# EAGLE board Mk4 Final a Panel score (EAGLE 9.0.1), part 19 of 24
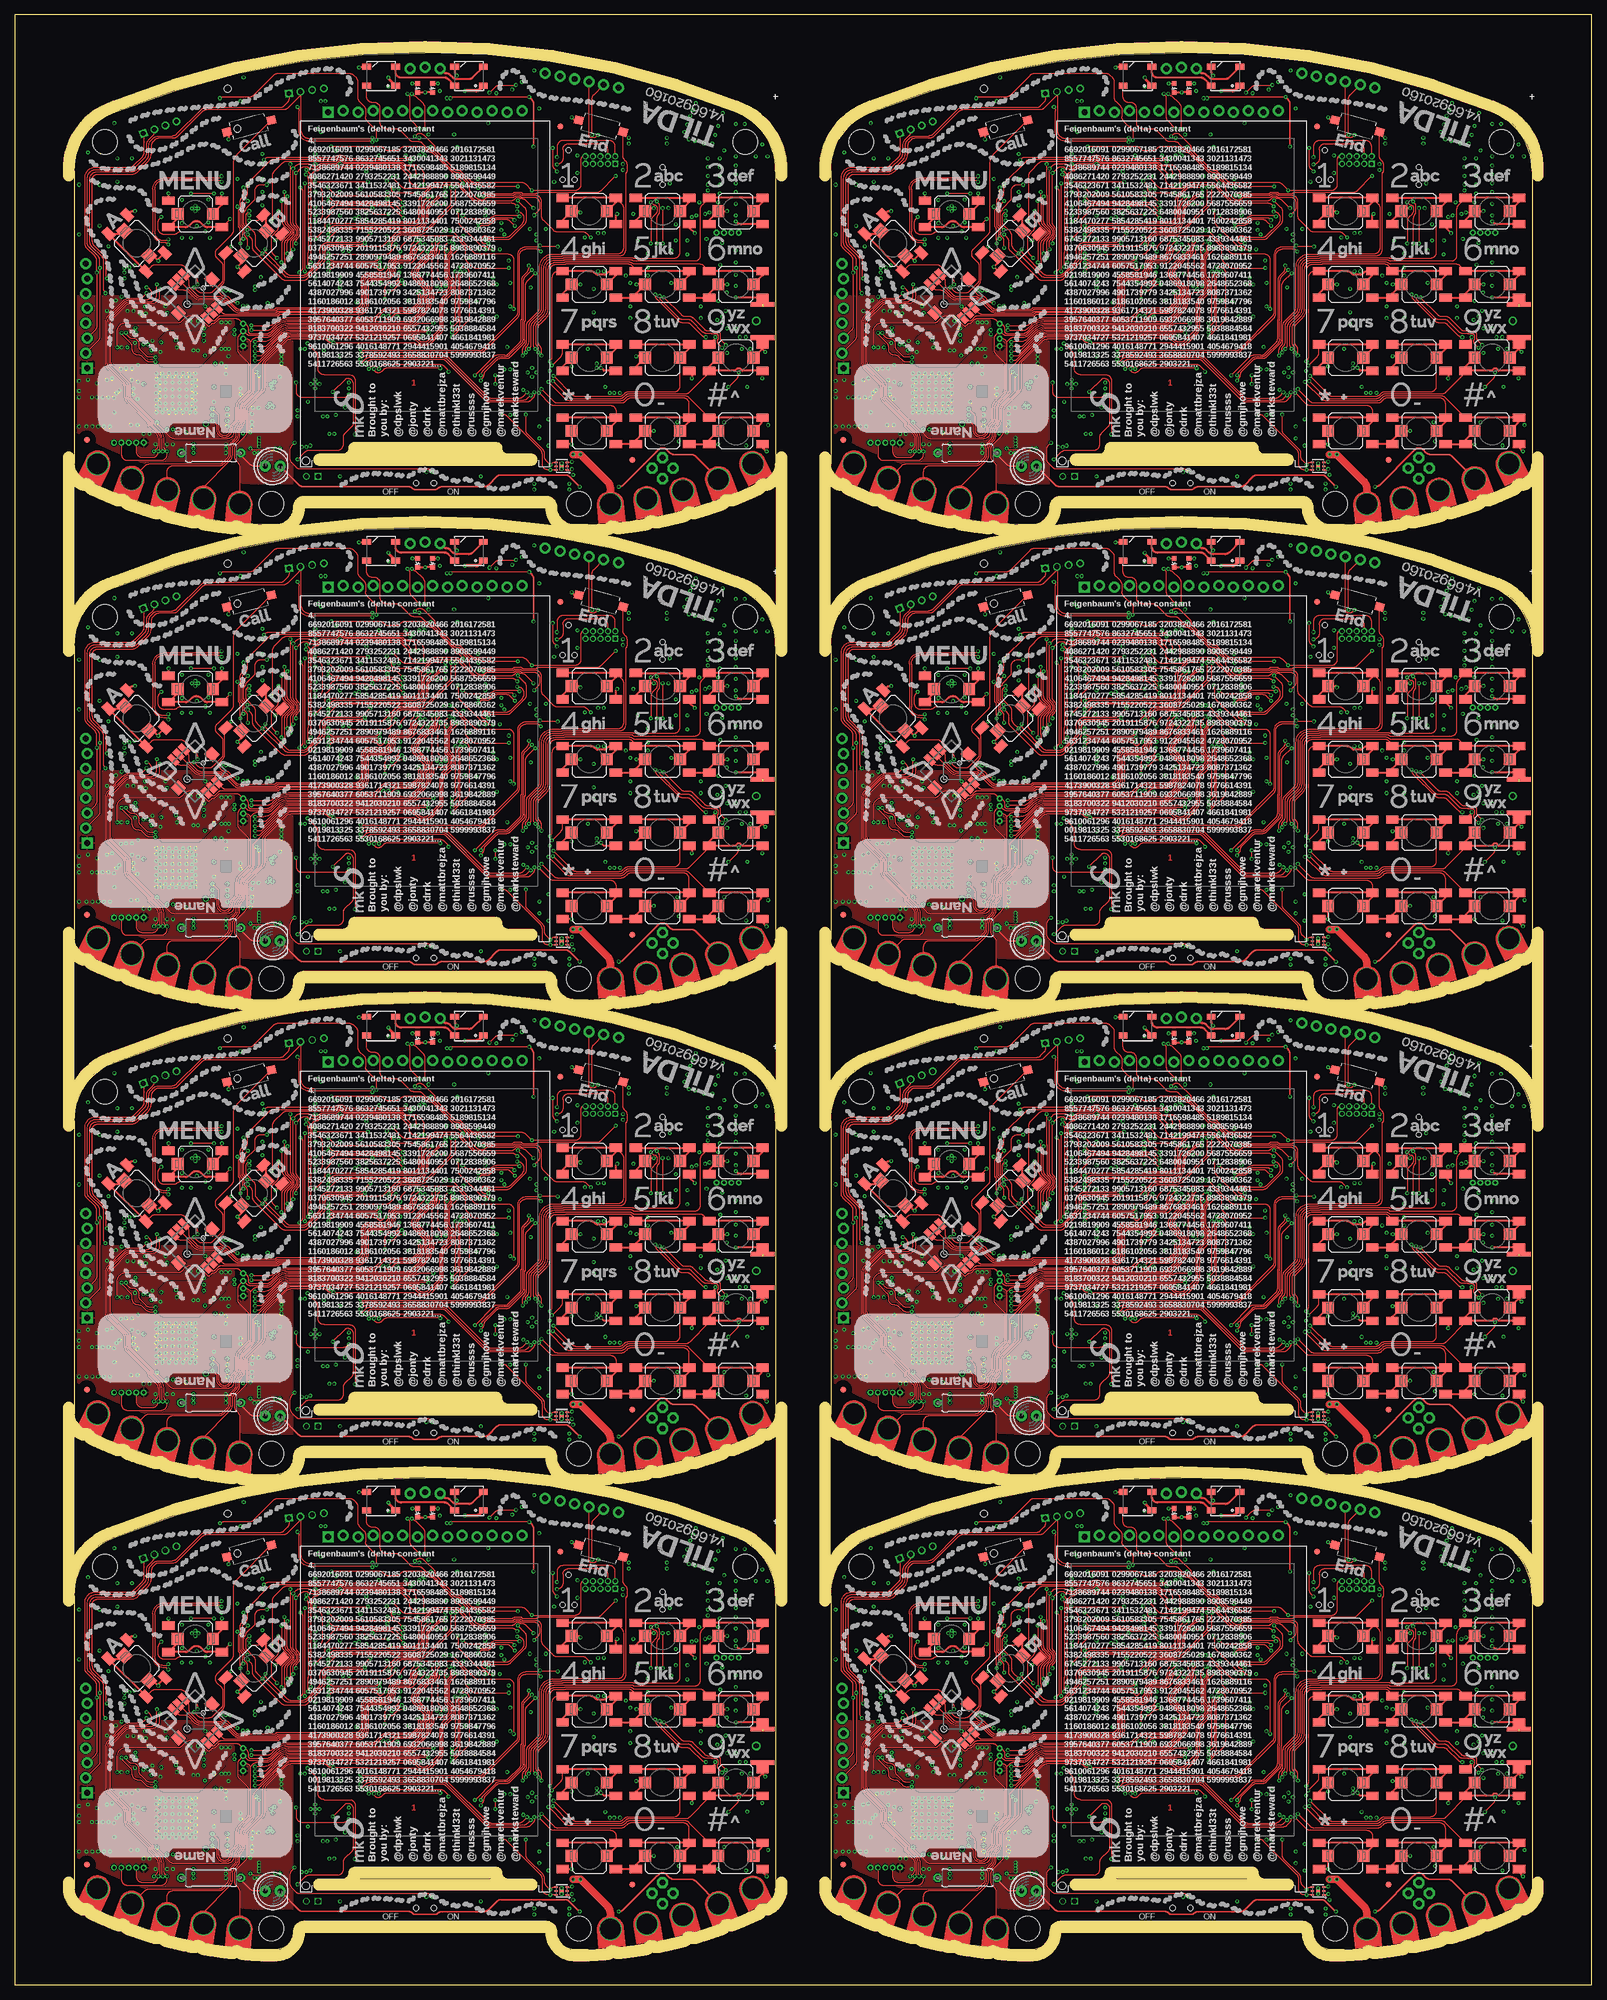
[diagram p0: board, top side]
## Tracks (layer width: path | path; a pad name or v marks a point on that pad's centre or on a via) (continued)
SIM_VDD4 (continued)
  Bottom 0.3: C482.2 arc-45 125.5,182.85 125.5,184.84 arc-45 125.79,185.54 126.4,186.15 arc-45 127.1,186.44 J44.C1 128.11,187.2 arc-45 128.4,187.9 128.46,187.96 arc45 128.75,188.66 128.75,189.25 arc90 127.75,190.25 124,190.25 arc-90 123,191.25 123,192.09 arc45 122.71,192.79 122.54,192.96 arc-45 122.25,193.66 122.25,194.75 arc90 121.25,195.75 120.91,195.75 arc-45 120.21,196.04 119.54,196.71 arc-45 119.25,197.41 119.25,198.5 118.85,198.9 IC79.5 118.58,200.59 arc45 118.28,201.29 117.37,202.21 arc45 116.66,202.5 113.91,202.5 arc-45 113.21,202.79 111.79,204.21 arc-45 111.5,204.91 111.5,206.94 arc45 111.28,207.47 110.47,208.28 arc-45 110.25,208.81 110.25,214.34 arc-45 110.54,215.04 111.31,215.81 arc45 111.6,216.51 IC75.18
SIM_VDD5
  Bottom 0.3: C590.2 arc-45 254.5,182.85 254.5,184.84 arc-45 254.79,185.54 255.4,186.15 arc-45 256.1,186.44 J54.C1 257.11,187.2 arc-45 257.4,187.9 257.46,187.96 arc45 257.75,188.66 257.75,189.25 arc90 256.75,190.25 253,190.25 arc-90 252,191.25 252,192.09 arc45 251.71,192.79 251.54,192.96 arc-45 251.25,193.66 251.25,194.75 arc90 250.25,195.75 249.91,195.75 arc-45 249.21,196.04 248.54,196.71 arc-45 248.25,197.41 248.25,198.5 247.85,198.9 IC97.5 247.57,200.59 arc45 247.28,201.29 246.37,202.21 arc45 245.66,202.5 242.91,202.5 arc-45 242.21,202.79 240.79,204.21 arc-45 240.5,204.91 240.5,206.94 arc45 240.28,207.47 239.47,208.28 arc-45 239.25,208.81 239.25,214.34 arc-45 239.54,215.04 240.31,215.81 arc45 240.6,216.51 IC93.18
SIM_VDD6
  Bottom 0.3: C698.2 arc-45 125.5,263.85 125.5,265.84 arc-45 125.79,266.54 126.4,267.15 arc-45 127.1,267.44 J64.C1 128.11,268.2 arc-45 128.4,268.9 128.46,268.96 arc45 128.75,269.66 128.75,270.25 arc90 127.75,271.25 124,271.25 arc-90 123,272.25 123,273.09 arc45 122.71,273.79 122.54,273.96 arc-45 122.25,274.66 122.25,275.75 arc90 121.25,276.75 120.91,276.75 arc-45 120.21,277.04 119.54,277.71 arc-45 119.25,278.41 119.25,279.5 118.85,279.9 IC115.5 118.58,281.59 arc45 118.28,282.29 117.37,283.21 arc45 116.66,283.5 113.91,283.5 arc-45 113.21,283.79 111.79,285.21 arc-45 111.5,285.91 111.5,287.94 arc45 111.28,288.47 110.47,289.28 arc-45 110.25,289.81 110.25,295.34 arc-45 110.54,296.04 111.31,296.81 arc45 111.6,297.51 IC111.18
SIM_VDD7
  Bottom 0.3: C806.2 arc-45 254.5,263.85 254.5,265.84 arc-45 254.79,266.54 255.4,267.15 arc-45 256.1,267.44 J74.C1 257.11,268.2 arc-45 257.4,268.9 257.46,268.96 arc45 257.75,269.66 257.75,270.25 arc90 256.75,271.25 253,271.25 arc-90 252,272.25 252,273.09 arc45 251.71,273.79 251.54,273.96 arc-45 251.25,274.66 251.25,275.75 arc90 250.25,276.75 249.91,276.75 arc-45 249.21,277.04 248.54,277.71 arc-45 248.25,278.41 248.25,279.5 247.85,279.9 IC133.5 247.57,281.59 arc45 247.28,282.29 246.37,283.21 arc45 245.66,283.5 242.91,283.5 arc-45 242.21,283.79 240.79,285.21 arc-45 240.5,285.91 240.5,287.94 arc45 240.28,288.47 239.47,289.28 arc-45 239.25,289.81 239.25,295.34 arc-45 239.54,296.04 240.31,296.81 arc45 240.6,297.51 IC129.18
SOP0  (via drill 0.3)
  Top 0.2: v24.05,34.55 23.11,34.55 arc-45 22.41,34.84 21.54,35.71 arc-45 21.25,36.41 21.25,36.75 arc90 20.25,37.75 20.16,37.75 arc-45 19.46,38.04 19.18,38.32 arc-45 v19,38.75
  Bottom 0.2: IC15.35 24.75,33.44 arc45 24.46,34.14 v24.05,34.55 | R64.1 20.25,40.65 19.44,39.84 arc45 19,38.78 v19,38.75
SOP1  (via drill 0.3)
  Top 0.2: v18.25,38.75 arc45 18.43,38.32 19.71,37.04 arc-45 20,36.34 20,36 arc90 21,35 21.06,35 arc-45 21.77,34.71 22.38,34.09 arc45 23.09,33.8 v24,33.8
  Bottom 0.2: IC15.34 24.25,33.34 arc45 24.1,33.7 v24,33.8 | R63.1 19.2,40.7 18.69,40.19 arc45 18.25,39.13 v18.25,38.75
SOP2
  Bottom 0.15: IC15.21 22.42,26.75 arc90 22.17,26.5 22.17,23.43 R62.1
SOP3
  Bottom 0.15: IC29.21 151.43,26.75 arc90 151.18,26.5 151.18,23.43 R140.1
SOP4  (via drill 0.3)
  Top 0.2: v147.25,38.75 arc45 147.43,38.32 148.71,37.04 arc-45 149,36.34 149,36 arc90 150,35 150.06,35 arc-45 150.76,34.71 151.38,34.09 arc45 152.09,33.8 v153,33.8
  Bottom 0.2: IC29.34 153.25,33.34 arc45 153.1,33.7 v153,33.8 | R141.1 148.2,40.7 147.69,40.19 arc45 147.25,39.13 v147.25,38.75
SOP5  (via drill 0.3)
  Top 0.2: v153.05,34.55 152.11,34.55 arc-45 151.41,34.84 150.54,35.71 arc-45 150.25,36.41 150.25,36.75 arc90 149.25,37.75 149.16,37.75 arc-45 148.46,38.04 148.18,38.32 arc-45 v148,38.75
  Bottom 0.2: IC29.35 153.75,33.44 arc45 153.46,34.14 v153.05,34.55 | R142.1 149.25,40.65 148.44,39.84 arc45 148,38.78 v148,38.75
SOP6
  Bottom 0.15: IC47.21 22.42,107.75 arc90 22.17,107.5 22.17,104.42 R218.1
SOP7  (via drill 0.3)
  Top 0.2: v18.25,119.75 arc45 18.43,119.32 19.71,118.04 arc-45 20,117.34 20,117 arc90 21,116 21.06,116 arc-45 21.77,115.71 22.38,115.09 arc45 23.09,114.8 v24,114.8
  Bottom 0.2: IC47.34 24.25,114.34 arc45 24.1,114.7 v24,114.8 | R219.1 19.2,121.7 18.69,121.19 arc45 18.25,120.13 v18.25,119.75
SOP8  (via drill 0.3)
  Top 0.2: v24.05,115.55 23.11,115.55 arc-45 22.41,115.84 21.54,116.71 arc-45 21.25,117.41 21.25,117.75 arc90 20.25,118.75 20.16,118.75 arc-45 19.46,119.04 19.18,119.32 arc-45 v19,119.75
  Bottom 0.2: IC47.35 24.75,114.44 arc45 24.46,115.14 v24.05,115.55 | R220.1 20.25,121.65 19.44,120.84 arc45 19,119.78 v19,119.75
SOP9
  Bottom 0.15: IC65.21 151.43,107.75 arc90 151.18,107.5 151.18,104.42 R296.1
SOP10  (via drill 0.3)
  Top 0.2: v147.25,119.75 arc45 147.43,119.32 148.71,118.04 arc-45 149,117.34 149,117 arc90 150,116 150.06,116 arc-45 150.76,115.71 151.38,115.09 arc45 152.09,114.8 v153,114.8
  Bottom 0.2: IC65.34 153.25,114.34 arc45 153.1,114.7 v153,114.8 | R297.1 148.2,121.7 147.69,121.19 arc45 147.25,120.13 v147.25,119.75
SOP11  (via drill 0.3)
  Top 0.2: v153.05,115.55 152.11,115.55 arc-45 151.41,115.84 150.54,116.71 arc-45 150.25,117.41 150.25,117.75 arc90 149.25,118.75 149.16,118.75 arc-45 148.46,119.04 148.18,119.32 arc-45 v148,119.75
  Bottom 0.2: IC65.35 153.75,114.44 arc45 153.46,115.14 v153.05,115.55 | R298.1 149.25,121.65 148.44,120.84 arc45 148,119.78 v148,119.75
SOP12
  Bottom 0.15: IC83.21 22.42,188.75 arc90 22.17,188.5 22.17,185.43 R374.1
SOP13  (via drill 0.3)
  Top 0.2: v18.25,200.75 arc45 18.43,200.32 19.71,199.04 arc-45 20,198.34 20,198 arc90 21,197 21.06,197 arc-45 21.77,196.71 22.38,196.09 arc45 23.09,195.8 v24,195.8
  Bottom 0.2: IC83.34 24.25,195.34 arc45 24.1,195.7 v24,195.8 | R375.1 19.2,202.7 18.69,202.19 arc45 18.25,201.13 v18.25,200.75
SOP14  (via drill 0.3)
  Top 0.2: v24.05,196.55 23.11,196.55 arc-45 22.41,196.84 21.54,197.71 arc-45 21.25,198.41 21.25,198.75 arc90 20.25,199.75 20.16,199.75 arc-45 19.46,200.04 19.18,200.32 arc-45 v19,200.75
  Bottom 0.2: IC83.35 24.75,195.44 arc45 24.46,196.14 v24.05,196.55 | R376.1 20.25,202.65 19.44,201.84 arc45 19,200.78 v19,200.75
SOP15
  Bottom 0.15: IC101.21 151.43,188.75 arc90 151.18,188.5 151.18,185.43 R452.1
SOP16  (via drill 0.3)
  Top 0.2: v147.25,200.75 arc45 147.43,200.32 148.71,199.04 arc-45 149,198.34 149,198 arc90 150,197 150.06,197 arc-45 150.76,196.71 151.38,196.09 arc45 152.09,195.8 v153,195.8
  Bottom 0.2: IC101.34 153.25,195.34 arc45 153.1,195.7 v153,195.8 | R453.1 148.2,202.7 147.69,202.19 arc45 147.25,201.13 v147.25,200.75
SOP17  (via drill 0.3)
  Top 0.2: v153.05,196.55 152.11,196.55 arc-45 151.41,196.84 150.54,197.71 arc-45 150.25,198.41 150.25,198.75 arc90 149.25,199.75 149.16,199.75 arc-45 148.46,200.04 148.18,200.32 arc-45 v148,200.75
  Bottom 0.2: IC101.35 153.75,195.44 arc45 153.46,196.14 v153.05,196.55 | R454.1 149.25,202.65 148.44,201.84 arc45 148,200.78 v148,200.75
SOP18
  Bottom 0.15: IC119.21 22.42,269.75 arc90 22.17,269.5 22.17,266.43 R530.1
SOP19  (via drill 0.3)
  Top 0.2: v18.25,281.75 arc45 18.43,281.32 19.71,280.04 arc-45 20,279.34 20,279 arc90 21,278 21.06,278 arc-45 21.77,277.71 22.38,277.09 arc45 23.09,276.8 v24,276.8
  Bottom 0.2: IC119.34 24.25,276.34 arc45 24.1,276.7 v24,276.8 | R531.1 19.2,283.7 18.69,283.19 arc45 18.25,282.13 v18.25,281.75
SOP20  (via drill 0.3)
  Top 0.2: v24.05,277.55 23.11,277.55 arc-45 22.41,277.84 21.54,278.71 arc-45 21.25,279.41 21.25,279.75 arc90 20.25,280.75 20.16,280.75 arc-45 19.46,281.04 19.18,281.32 arc-45 v19,281.75
  Bottom 0.2: IC119.35 24.75,276.44 arc45 24.46,277.14 v24.05,277.55 | R532.1 20.25,283.65 19.44,282.84 arc45 19,281.78 v19,281.75
SOP21
  Bottom 0.15: IC137.21 151.43,269.75 arc90 151.18,269.5 151.18,266.43 R608.1
SOP22  (via drill 0.3)
  Top 0.2: v147.25,281.75 arc45 147.43,281.32 148.71,280.04 arc-45 149,279.34 149,279 arc90 150,278 150.06,278 arc-45 150.76,277.71 151.38,277.09 arc45 152.09,276.8 v153,276.8
  Bottom 0.2: IC137.34 153.25,276.34 arc45 153.1,276.7 v153,276.8 | R609.1 148.2,283.7 147.69,283.19 arc45 147.25,282.13 v147.25,281.75
SOP23  (via drill 0.3)
  Top 0.2: v153.05,277.55 152.11,277.55 arc-45 151.41,277.84 150.54,278.71 arc-45 150.25,279.41 150.25,279.75 arc90 149.25,280.75 149.16,280.75 arc-45 148.46,281.04 148.18,281.32 arc-45 v148,281.75
  Bottom 0.2: IC137.35 153.75,276.44 arc45 153.46,277.14 v153.05,277.55 | R610.1 149.25,283.65 148.44,282.84 arc45 148,281.78 v148,281.75
SPK_AMP_N
  Bottom 0.2: IC13.8 29.83,57.17 arc-90 28.83,56.17 26.34,56.17 arc45 25.63,55.88 U5.-
SPK_AMP_N1
  Bottom 0.2: IC28.8 158.82,57.17 arc-90 157.82,56.17 155.34,56.17 arc45 154.63,55.88 U6.-
SPK_AMP_N2
  Bottom 0.2: IC46.8 29.83,138.18 arc-90 28.83,137.18 26.34,137.18 arc45 25.63,136.88 U9.-
SPK_AMP_N3
  Bottom 0.2: IC64.8 158.82,138.18 arc-90 157.82,137.18 155.34,137.18 arc45 154.63,136.88 U12.-
SPK_AMP_N4
  Bottom 0.2: IC82.8 29.83,219.18 arc-90 28.83,218.18 26.34,218.18 arc45 25.63,217.88 U15.-
SPK_AMP_N5
  Bottom 0.2: IC100.8 158.82,219.18 arc-90 157.82,218.18 155.34,218.18 arc45 154.63,217.88 U18.-
SPK_AMP_N6
  Bottom 0.2: IC118.8 29.83,300.18 arc-90 28.83,299.18 26.34,299.18 arc45 25.63,298.88 U21.-
SPK_AMP_N7
  Bottom 0.2: IC136.8 158.82,300.18 arc-90 157.82,299.18 155.34,299.18 arc45 154.63,298.88 U24.-
SPK_AMP_P  (via drill 0.3)
  Top 0.2: v32.5,56 28.29,56 arc45 27.79,55.79 arc-45 27.09,55.5 25.5,55.5 arc-90 24.5,56.5 24.5,57.59 arc-45 24.79,58.29 v25,58.5
  Bottom 0.2: IC13.5 31.77,57.14 arc45 32.07,56.43 v32.5,56 | U5.+ 23.25,60.66 arc45 23.54,59.96 v25,58.5
SPK_AMP_P1  (via drill 0.3)
  Top 0.2: v161.5,56 157.29,56 arc45 156.79,55.79 arc-45 156.09,55.5 154.5,55.5 arc-90 153.5,56.5 153.5,57.59 arc-45 153.79,58.29 v154,58.5
  Bottom 0.2: IC28.5 160.78,57.14 arc45 161.07,56.43 v161.5,56 | U6.+ 152.25,60.66 arc45 152.54,59.96 v154,58.5
SPK_AMP_P2  (via drill 0.3)
  Top 0.2: v32.5,137 28.29,137 arc45 27.79,136.79 arc-45 27.09,136.5 25.5,136.5 arc-90 24.5,137.5 24.5,138.59 arc-45 24.79,139.29 v25,139.5
  Bottom 0.2: IC46.5 31.77,138.14 arc45 32.07,137.43 v32.5,137 | U9.+ 23.25,141.66 arc45 23.54,140.96 v25,139.5
SPK_AMP_P3  (via drill 0.3)
  Top 0.2: v161.5,137 157.29,137 arc45 156.79,136.79 arc-45 156.09,136.5 154.5,136.5 arc-90 153.5,137.5 153.5,138.59 arc-45 153.79,139.29 v154,139.5
  Bottom 0.2: IC64.5 160.78,138.14 arc45 161.07,137.43 v161.5,137 | U12.+ 152.25,141.66 arc45 152.54,140.96 v154,139.5
SPK_AMP_P4  (via drill 0.3)
  Top 0.2: v32.5,218 28.29,218 arc45 27.79,217.79 arc-45 27.09,217.5 25.5,217.5 arc-90 24.5,218.5 24.5,219.59 arc-45 24.79,220.29 v25,220.5
  Bottom 0.2: IC82.5 31.77,219.14 arc45 32.07,218.43 v32.5,218 | U15.+ 23.25,222.66 arc45 23.54,221.96 v25,220.5
SPK_AMP_P5  (via drill 0.3)
  Top 0.2: v161.5,218 157.29,218 arc45 156.79,217.79 arc-45 156.09,217.5 154.5,217.5 arc-90 153.5,218.5 153.5,219.59 arc-45 153.79,220.29 v154,220.5
  Bottom 0.2: IC100.5 160.78,219.14 arc45 161.07,218.43 v161.5,218 | U18.+ 152.25,222.66 arc45 152.54,221.96 v154,220.5
SPK_AMP_P6  (via drill 0.3)
  Top 0.2: v32.5,299 28.29,299 arc45 27.79,298.79 arc-45 27.09,298.5 25.5,298.5 arc-90 24.5,299.5 24.5,300.59 arc-45 24.79,301.29 v25,301.5
  Bottom 0.2: IC118.5 31.77,300.14 arc45 32.07,299.43 v32.5,299 | U21.+ 23.25,303.66 arc45 23.54,302.96 v25,301.5
SPK_AMP_P7  (via drill 0.3)
  Top 0.2: v161.5,299 157.29,299 arc45 156.79,298.79 arc-45 156.09,298.5 154.5,298.5 arc-90 153.5,299.5 153.5,300.59 arc-45 153.79,301.29 v154,301.5
  Bottom 0.2: IC136.5 160.78,300.14 arc45 161.07,299.43 v161.5,299 | U24.+ 152.25,303.66 arc45 152.54,302.96 v154,301.5
SPK_N  (via drill 0.3)
  Top 0.2: v59,35.9 59.23,35.67 79.21,35.67 arc45 79.92,35.97 85.46,41.51 arc45 85.75,42.21 85.75,51.92 arc-90 87.17,53.34 89.11,53.34 arc45 89.46,53.49 v89.59,53.62 89.76,53.45 v92.6,53.45 | v35.3,64.5 35.27,64.53 arc45 34.56,64.83 25.5,64.83 arc90 23.92,63.25 23.92,55.95 arc90 25.45,54.42 25.72,54.42 arc45 26.07,54.57 v26.2,54.7
  Bottom 0.2: IC5.12 102.6,53 C68.2 | C65.1 C68.2 | C67.1 C64.2 | C64.2 C68.2 | C64.2 99.17,52.67 94.46,52.67 arc-45 94.39,52.7 94.3,52.8 arc45 94.23,52.83 93.22,52.83 arc-90 v92.6,53.45 | v59,35.9 58.77,35.67 58.29,35.67 arc-45 57.58,35.97 55.27,38.28 arc45 54.8,38.48 54.69,38.48 arc-45 53.98,38.77 50.66,42.08 arc45 49.96,42.38 43.39,42.38 arc-45 42.68,42.67 39.87,45.48 arc-45 39.58,46.19 39.58,46.7 arc90 37.9,48.38 35.29,48.38 arc-45 34.58,48.67 32.37,50.88 arc45 31.66,51.17 28.4,51.17 arc-90 27.67,51.9 27.67,53.6 arc90 26.85,54.42 26.68,54.42 arc-45 26.33,54.57 v26.2,54.7 | 34.45,64.5 C82.2 34.5,64.5 v35.3,64.5 | v89.59,53.62 90.1,53.11 90.1,53.05 90.66,52.5 R43.1
SPK_N1  (via drill 0.3)
  Top 0.2: v188,35.9 188.22,35.67 208.21,35.67 arc45 208.92,35.97 214.46,41.51 arc45 214.75,42.21 214.75,51.92 arc-90 216.17,53.34 218.11,53.34 arc45 218.46,53.49 v218.59,53.62 218.76,53.45 v221.6,53.45 | v164.3,64.5 164.27,64.53 arc45 163.56,64.83 154.5,64.83 arc90 152.93,63.25 152.93,55.95 arc90 154.45,54.42 154.72,54.42 arc45 155.07,54.57 v155.2,54.7
  Bottom 0.2: IC21.12 231.6,53 C169.2 | C166.1 C169.2 | C168.1 C165.2 | C165.2 C169.2 | C165.2 228.18,52.67 223.46,52.67 arc-45 223.39,52.7 223.3,52.8 arc45 223.23,52.83 222.22,52.83 arc-90 v221.6,53.45 | v188,35.9 187.78,35.67 187.29,35.67 arc-45 186.58,35.97 184.26,38.28 arc45 183.8,38.48 183.69,38.48 arc-45 182.98,38.77 179.67,42.08 arc45 178.96,42.38 172.39,42.38 arc-45 171.68,42.67 168.87,45.48 arc-45 168.57,46.19 168.57,46.7 arc90 166.9,48.38 164.29,48.38 arc-45 163.58,48.67 161.37,50.88 arc45 160.66,51.17 157.4,51.17 arc-90 156.68,51.9 156.68,53.6 arc90 155.85,54.42 155.68,54.42 arc-45 155.33,54.57 v155.2,54.7 | 163.45,64.5 C183.2 163.5,64.5 v164.3,64.5 | v218.59,53.62 219.1,53.11 219.1,53.05 219.66,52.5 R125.1
SPK_N2  (via drill 0.3)
  Top 0.2: v59,116.9 59.23,116.67 79.21,116.67 arc45 79.92,116.97 85.46,122.5 arc45 85.75,123.21 85.75,132.93 arc-90 87.17,134.34 89.11,134.34 arc45 89.46,134.49 v89.59,134.62 89.76,134.45 v92.6,134.45 | v35.3,145.5 35.27,145.53 arc45 34.56,145.82 25.5,145.82 arc90 23.92,144.25 23.92,136.95 arc90 25.45,135.43 25.72,135.43 arc45 26.07,135.57 v26.2,135.7
  Bottom 0.2: IC39.12 102.6,134 C277.2 | C274.1 C277.2 | C276.1 C273.2 | C273.2 C277.2 | C273.2 99.17,133.68 94.46,133.68 arc-45 94.39,133.7 94.3,133.8 arc45 94.23,133.82 93.22,133.82 arc-90 v92.6,134.45 | v59,116.9 58.77,116.67 58.29,116.67 arc-45 57.58,116.97 55.27,119.28 arc45 54.8,119.47 54.69,119.47 arc-45 53.98,119.77 50.66,123.08 arc45 49.96,123.38 43.39,123.38 arc-45 42.68,123.67 39.87,126.48 arc-45 39.58,127.19 39.58,127.7 arc90 37.9,129.38 35.29,129.38 arc-45 34.58,129.67 32.37,131.88 arc45 31.66,132.18 28.4,132.18 arc-90 27.67,132.9 27.67,134.6 arc90 26.85,135.43 26.68,135.43 arc-45 26.33,135.57 v26.2,135.7 | 34.45,145.5 C291.2 34.5,145.5 v35.3,145.5 | v89.59,134.62 90.1,134.11 90.1,134.06 90.66,133.5 R203.1
SPK_N3  (via drill 0.3)
  Top 0.2: v188,116.9 188.22,116.67 208.21,116.67 arc45 208.92,116.97 214.46,122.5 arc45 214.75,123.21 214.75,132.93 arc-90 216.17,134.34 218.11,134.34 arc45 218.46,134.49 v218.59,134.62 218.76,134.45 v221.6,134.45 | v164.3,145.5 164.27,145.53 arc45 163.56,145.82 154.5,145.82 arc90 152.93,144.25 152.93,136.95 arc90 154.45,135.43 154.72,135.43 arc45 155.07,135.57 v155.2,135.7
  Bottom 0.2: IC57.12 231.6,134 C385.2 | C382.1 C385.2 | C384.1 C381.2 | C381.2 C385.2 | C381.2 228.18,133.68 223.46,133.68 arc-45 223.39,133.7 223.3,133.8 arc45 223.23,133.82 222.22,133.82 arc-90 v221.6,134.45 | v188,116.9 187.78,116.67 187.29,116.67 arc-45 186.58,116.97 184.26,119.28 arc45 183.8,119.47 183.69,119.47 arc-45 182.98,119.77 179.67,123.08 arc45 178.96,123.38 172.39,123.38 arc-45 171.68,123.67 168.87,126.48 arc-45 168.57,127.19 168.57,127.7 arc90 166.9,129.38 164.29,129.38 arc-45 163.58,129.67 161.37,131.88 arc45 160.66,132.18 157.4,132.18 arc-90 156.68,132.9 156.68,134.6 arc90 155.85,135.43 155.68,135.43 arc-45 155.33,135.57 v155.2,135.7 | 163.45,145.5 C399.2 163.5,145.5 v164.3,145.5 | v218.59,134.62 219.1,134.11 219.1,134.06 219.66,133.5 R281.1
SPK_N4  (via drill 0.3)
  Top 0.2: v59,197.9 59.23,197.68 79.21,197.68 arc45 79.92,197.97 85.46,203.5 arc45 85.75,204.21 85.75,213.93 arc-90 87.17,215.34 89.11,215.34 arc45 89.46,215.49 v89.59,215.62 89.76,215.45 v92.6,215.45 | v35.3,226.5 35.27,226.53 arc45 34.56,226.82 25.5,226.82 arc90 23.92,225.25 23.92,217.95 arc90 25.45,216.43 25.72,216.43 arc45 26.07,216.57 v26.2,216.7
  Bottom 0.2: IC75.12 102.6,215 C493.2 | C490.1 C493.2 | C492.1 C489.2 | C489.2 C493.2 | C489.2 99.17,214.68 94.46,214.68 arc-45 94.39,214.7 94.3,214.8 arc45 94.23,214.82 93.22,214.82 arc-90 v92.6,215.45 | v59,197.9 58.77,197.68 58.29,197.68 arc-45 57.58,197.97 55.27,200.28 arc45 54.8,200.47 54.69,200.47 arc-45 53.98,200.77 50.66,204.08 arc45 49.96,204.38 43.39,204.38 arc-45 42.68,204.67 39.87,207.48 arc-45 39.58,208.19 39.58,208.7 arc90 37.9,210.38 35.29,210.38 arc-45 34.58,210.67 32.37,212.88 arc45 31.66,213.18 28.4,213.18 arc-90 27.67,213.9 27.67,215.6 arc90 26.85,216.43 26.68,216.43 arc-45 26.33,216.57 v26.2,216.7 | 34.45,226.5 C507.2 34.5,226.5 v35.3,226.5 | v89.59,215.62 90.1,215.11 90.1,215.06 90.66,214.5 R359.1
SPK_N5  (via drill 0.3)
  Top 0.2: v188,197.9 188.22,197.68 208.21,197.68 arc45 208.92,197.97 214.46,203.5 arc45 214.75,204.21 214.75,213.93 arc-90 216.17,215.34 218.11,215.34 arc45 218.46,215.49 v218.59,215.62 218.76,215.45 v221.6,215.45 | v164.3,226.5 164.27,226.53 arc45 163.56,226.82 154.5,226.82 arc90 152.93,225.25 152.93,217.95 arc90 154.45,216.43 154.72,216.43 arc45 155.07,216.57 v155.2,216.7
  Bottom 0.2: IC93.12 231.6,215 C601.2 | C598.1 C601.2 | C600.1 C597.2 | C597.2 C601.2 | C597.2 228.18,214.68 223.46,214.68 arc-45 223.39,214.7 223.3,214.8 arc45 223.23,214.82 222.22,214.82 arc-90 v221.6,215.45 | v188,197.9 187.78,197.68 187.29,197.68 arc-45 186.58,197.97 184.26,200.28 arc45 183.8,200.47 183.69,200.47 arc-45 182.98,200.77 179.67,204.08 arc45 178.96,204.38 172.39,204.38 arc-45 171.68,204.67 168.87,207.48 arc-45 168.57,208.19 168.57,208.7 arc90 166.9,210.38 164.29,210.38 arc-45 163.58,210.67 161.37,212.88 arc45 160.66,213.18 157.4,213.18 arc-90 156.68,213.9 156.68,215.6 arc90 155.85,216.43 155.68,216.43 arc-45 155.33,216.57 v155.2,216.7 | 163.45,226.5 C615.2 163.5,226.5 v164.3,226.5 | v218.59,215.62 219.1,215.11 219.1,215.06 219.66,214.5 R437.1
SPK_N6  (via drill 0.3)
  Top 0.2: v59,278.9 59.23,278.68 79.21,278.68 arc45 79.92,278.97 85.46,284.5 arc45 85.75,285.21 85.75,294.93 arc-90 87.17,296.34 89.11,296.34 arc45 89.46,296.49 v89.59,296.62 89.76,296.45 v92.6,296.45 | v35.3,307.5 35.27,307.53 arc45 34.56,307.82 25.5,307.82 arc90 23.92,306.25 23.92,298.95 arc90 25.45,297.43 25.72,297.43 arc45 26.07,297.57 v26.2,297.7
  Bottom 0.2: IC111.12 102.6,296 C709.2 | C706.1 C709.2 | C708.1 C705.2 | C705.2 C709.2 | C705.2 99.17,295.68 94.46,295.68 arc-45 94.39,295.7 94.3,295.8 arc45 94.23,295.82 93.22,295.82 arc-90 v92.6,296.45 | v59,278.9 58.77,278.68 58.29,278.68 arc-45 57.58,278.97 55.27,281.28 arc45 54.8,281.48 54.69,281.48 arc-45 53.98,281.77 50.66,285.08 arc45 49.96,285.38 43.39,285.38 arc-45 42.68,285.67 39.87,288.48 arc-45 39.58,289.19 39.58,289.7 arc90 37.9,291.38 35.29,291.38 arc-45 34.58,291.67 32.37,293.88 arc45 31.66,294.18 28.4,294.18 arc-90 27.67,294.9 27.67,296.6 arc90 26.85,297.43 26.68,297.43 arc-45 26.33,297.57 v26.2,297.7 | 34.45,307.5 C723.2 34.5,307.5 v35.3,307.5 | v89.59,296.62 90.1,296.11 90.1,296.06 90.66,295.5 R515.1
SPK_N7  (via drill 0.3)
  Top 0.2: v188,278.9 188.22,278.68 208.21,278.68 arc45 208.92,278.97 214.46,284.5 arc45 214.75,285.21 214.75,294.93 arc-90 216.17,296.34 218.11,296.34 arc45 218.46,296.49 v218.59,296.62 218.76,296.45 v221.6,296.45 | v164.3,307.5 164.27,307.53 arc45 163.56,307.82 154.5,307.82 arc90 152.93,306.25 152.93,298.95 arc90 154.45,297.43 154.72,297.43 arc45 155.07,297.57 v155.2,297.7
  Bottom 0.2: IC129.12 231.6,296 C817.2 | C814.1 C817.2 | C816.1 C813.2 | C813.2 C817.2 | C813.2 228.18,295.68 223.46,295.68 arc-45 223.39,295.7 223.3,295.8 arc45 223.23,295.82 222.22,295.82 arc-90 v221.6,296.45 | v188,278.9 187.78,278.68 187.29,278.68 arc-45 186.58,278.97 184.26,281.28 arc45 183.8,281.48 183.69,281.48 arc-45 182.98,281.77 179.67,285.08 arc45 178.96,285.38 172.39,285.38 arc-45 171.68,285.67 168.87,288.48 arc-45 168.57,289.19 168.57,289.7 arc90 166.9,291.38 164.29,291.38 arc-45 163.58,291.67 161.37,293.88 arc45 160.66,294.18 157.4,294.18 arc-90 156.68,294.9 156.68,296.6 arc90 155.85,297.43 155.68,297.43 arc-45 155.33,297.57 v155.2,297.7 | 163.45,307.5 C831.2 163.5,307.5 v164.3,307.5 | v218.59,296.62 219.1,296.11 219.1,296.06 219.66,295.5 R593.1
SPK_P  (via drill 0.3)
  Top 0.2: v59,35.1 59.23,35.33 79.36,35.33 arc45 80.06,35.62 85.81,41.36 arc45 86.1,42.07 86.1,51.92 arc-90 87.17,52.99 89.16,52.99 arc-45 89.51,52.84 v89.75,52.61 | v35.3,65.45 arc-45 34.64,65.17 25.5,65.17 arc90 23.58,63.25 23.58,55.95 arc90 25.45,54.08 25.72,54.08 arc-45 26.07,53.93 v26.2,53.8
  Bottom 0.2: IC5.11 100.55,51.95 C68.1 | C68.1 C64.1 | C69.1 C68.1 | C66.1 C64.1 | C64.1 99.17,52.33 94.32,52.33 arc-45 94.25,52.35 94.16,52.45 arc45 94.09,52.48 91.78,52.48 R45.1 91.11,51.86 arc-90 90.4,51.86 89.75,52.51 v89.75,52.61 | v59,35.1 58.77,35.33 58.14,35.33 arc-45 57.44,35.62 55.02,38.03 arc45 54.8,38.12 54.54,38.12 arc-45 53.84,38.42 50.52,41.73 arc45 49.81,42.02 43.24,42.02 arc-45 42.53,42.32 39.52,45.34 arc-45 39.23,46.04 39.23,46.7 arc90 37.9,48.02 35.14,48.02 arc-45 34.44,48.32 32.22,50.53 arc45 31.51,50.83 28.4,50.83 arc-90 27.33,51.9 27.33,53.6 arc90 26.85,54.08 26.68,54.08 arc45 26.33,53.93 v26.2,53.8 | C83.2 v35.3,65.45
SPK_P1  (via drill 0.3)
  Top 0.2: v188,35.1 188.22,35.33 208.36,35.33 arc45 209.06,35.62 214.81,41.36 arc45 215.1,42.07 215.1,51.92 arc-90 216.17,52.99 218.16,52.99 arc-45 218.51,52.84 v218.75,52.61 | v164.3,65.45 arc-45 163.64,65.17 154.5,65.17 arc90 152.57,63.25 152.57,55.95 arc90 154.45,54.08 154.72,54.08 arc-45 155.07,53.93 v155.2,53.8
  Bottom 0.2: IC21.11 229.55,51.95 C169.1 | C169.1 C165.1 | C170.1 C169.1 | C167.1 C165.1 | C165.1 228.18,52.33 223.32,52.33 arc-45 223.25,52.35 223.16,52.45 arc45 223.09,52.48 220.78,52.48 R126.1 220.11,51.86 arc-90 219.4,51.86 218.75,52.51 v218.75,52.61 | v188,35.1 187.78,35.33 187.14,35.33 arc-45 186.44,35.62 184.02,38.03 arc45 183.8,38.12 183.54,38.12 arc-45 182.83,38.42 179.52,41.73 arc45 178.81,42.02 172.24,42.02 arc-45 171.53,42.32 168.52,45.34 arc-45 168.22,46.04 168.22,46.7 arc90 166.9,48.02 164.14,48.02 arc-45 163.44,48.32 161.22,50.53 arc45 160.51,50.83 157.4,50.83 arc-90 156.32,51.9 156.32,53.6 arc90 155.85,54.08 155.68,54.08 arc45 155.33,53.93 v155.2,53.8 | C184.2 v164.3,65.45
SPK_P2  (via drill 0.3)
  Top 0.2: v59,116.1 59.23,116.33 79.36,116.33 arc45 80.06,116.62 85.81,122.36 arc45 86.1,123.07 86.1,132.93 arc-90 87.17,133.99 89.16,133.99 arc-45 89.51,133.84 v89.75,133.61 | v35.3,146.45 arc-45 34.64,146.18 25.5,146.18 arc90 23.58,144.25 23.58,136.95 arc90 25.45,135.07 25.72,135.07 arc-45 26.07,134.93 v26.2,134.8
  Bottom 0.2: IC39.11 100.55,132.95 C277.1 | C277.1 C273.1 | C278.1 C277.1 | C275.1 C273.1 | C273.1 99.17,133.32 94.32,133.32 arc-45 94.25,133.35 94.16,133.45 arc45 94.09,133.47 91.78,133.47 R204.1 91.11,132.86 arc-90 90.4,132.86 89.75,133.51 v89.75,133.61 | v59,116.1 58.77,116.33 58.14,116.33 arc-45 57.44,116.62 55.02,119.03 arc45 54.8,119.12 54.54,119.12 arc-45 53.84,119.42 50.52,122.73 arc45 49.81,123.03 43.24,123.03 arc-45 42.53,123.32 39.52,126.33 arc-45 39.23,127.04 39.23,127.7 arc90 37.9,129.03 35.14,129.03 arc-45 34.44,129.32 32.22,131.53 arc45 31.51,131.82 28.4,131.82 arc-90 27.33,132.9 27.33,134.6 arc90 26.85,135.07 26.68,135.07 arc45 26.33,134.93 v26.2,134.8 | C292.2 v35.3,146.45
SPK_P3  (via drill 0.3)
  Top 0.2: v188,116.1 188.22,116.33 208.36,116.33 arc45 209.06,116.62 214.81,122.36 arc45 215.1,123.07 215.1,132.93 arc-90 216.17,133.99 218.16,133.99 arc-45 218.51,133.84 v218.75,133.61 | v164.3,146.45 arc-45 163.64,146.18 154.5,146.18 arc90 152.57,144.25 152.57,136.95 arc90 154.45,135.07 154.72,135.07 arc-45 155.07,134.93 v155.2,134.8
  Bottom 0.2: IC57.11 229.55,132.95 C385.1 | C385.1 C381.1 | C386.1 C385.1 | C383.1 C381.1 | C381.1 228.18,133.32 223.32,133.32 arc-45 223.25,133.35 223.16,133.45 arc45 223.09,133.47 220.78,133.47 R282.1 220.11,132.86 arc-90 219.4,132.86 218.75,133.51 v218.75,133.61 | v188,116.1 187.78,116.33 187.14,116.33 arc-45 186.44,116.62 184.02,119.03 arc45 183.8,119.12 183.54,119.12 arc-45 182.83,119.42 179.52,122.73 arc45 178.81,123.03 172.24,123.03 arc-45 171.53,123.32 168.52,126.33 arc-45 168.22,127.04 168.22,127.7 arc90 166.9,129.03 164.14,129.03 arc-45 163.44,129.32 161.22,131.53 arc45 160.51,131.82 157.4,131.82 arc-90 156.32,132.9 156.32,134.6 arc90 155.85,135.07 155.68,135.07 arc45 155.33,134.93 v155.2,134.8 | C400.2 v164.3,146.45